# Altium PCB neuro_module.PcbDoc (part 4 of 5) (continued)
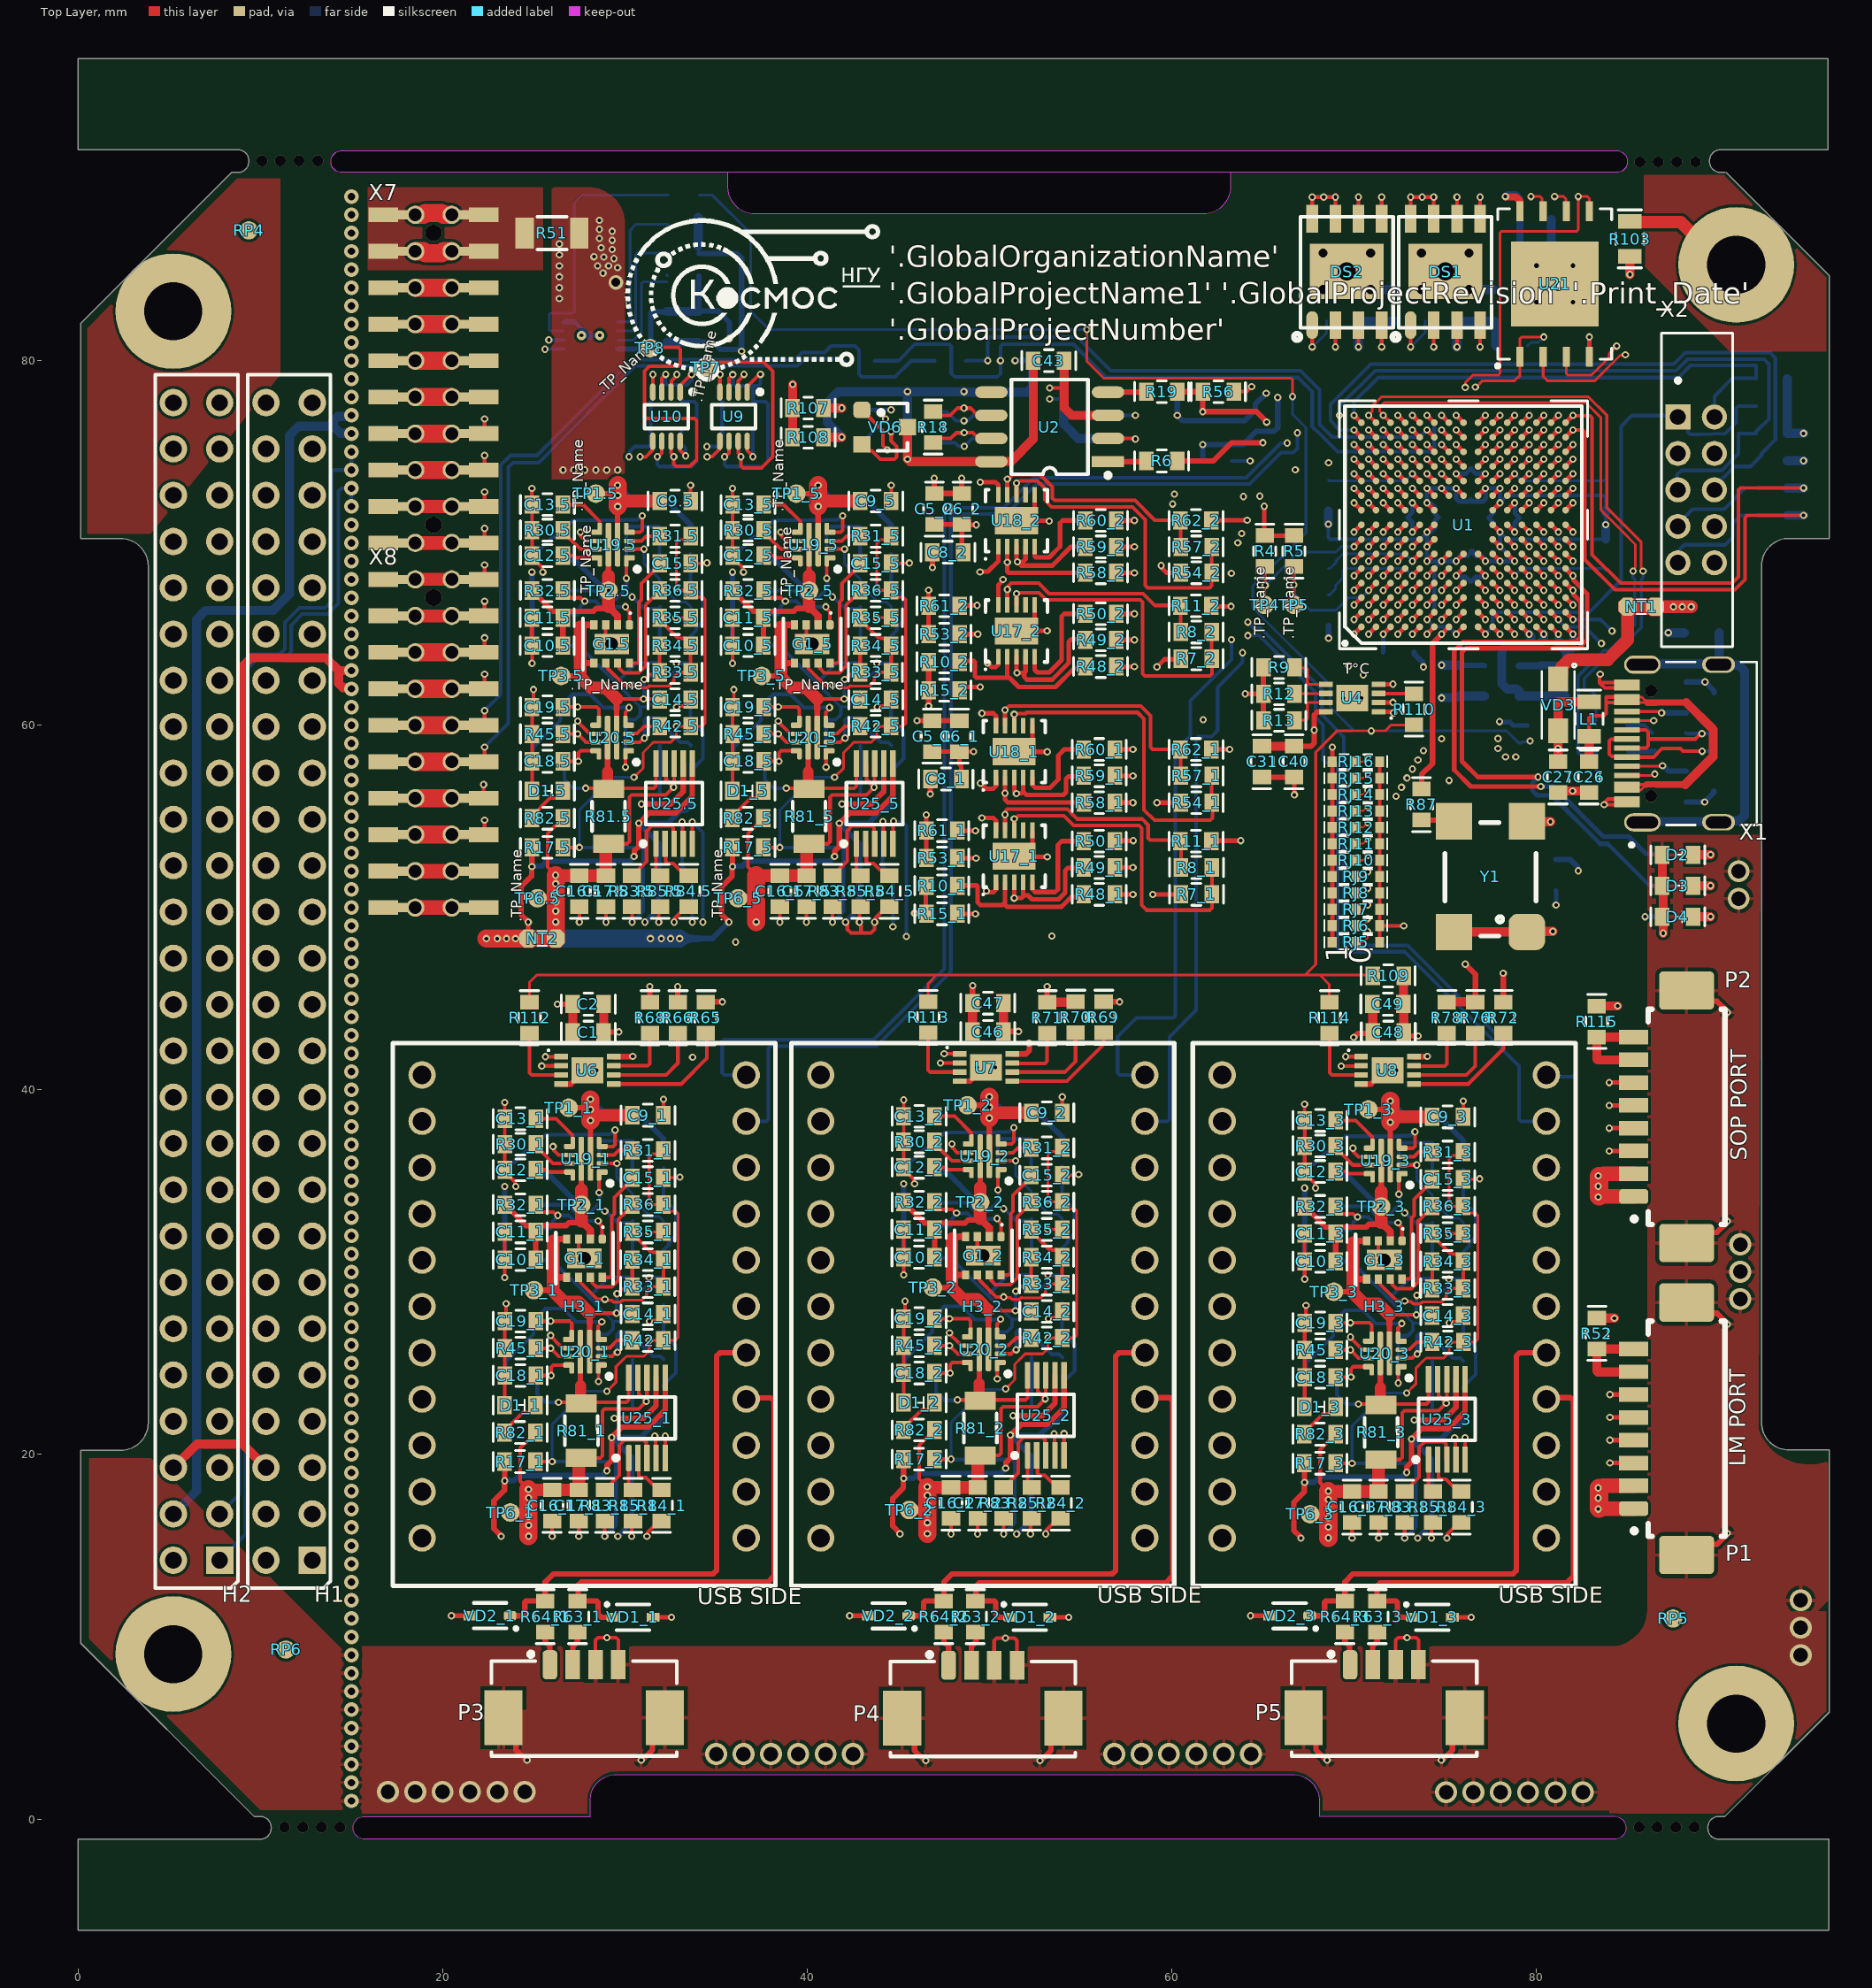
[diagram p0: Top Layer view]
## Nets (pads, with @x,y where several pads share a name; then routed paths per layer and width w, separated by ;. In a path a pad name is that pad's centre, name@x,y a point inside that pad or via, vN(x,y) a via of type N, cw(c..) or ccw(c..) an arc to the next point about the centre after c; other vN are vias at no path point) (continued)
NetR42.5_2: R42.5.2 U20.5.3 | length 1.9
  Top Layer w0.2: U20.5.3@30.2,59.525 30.225,59.55 30.665,59.55 31.064,59.948 R42.5.2@31.905,59.948
NetR42_1_2: R42_1.2 U20_1.3 | length 1.9
  Top Layer w0.2: U20_1.3@28.709,25.834 28.734,25.859 29.175,25.859 29.573,26.257 R42_1.2@30.414,26.257
NetR42_2_2: R42_2.2 U20_2.3 | length 1.9
  Top Layer w0.2: U20_2.3@50.588,25.971 50.613,25.996 51.054,25.996 51.452,26.394 R42_2.2@52.293,26.394
NetR42_3_2: R42_3.2 U20_3.3 | length 1.9
  Top Layer w0.2: U20_3.3@72.585,25.743 72.61,25.768 73.05,25.768 73.448,26.166 R42_3.2@74.29,26.166
NetR42_5_2: R42_5.2 U20_5.3 | length 1.9
  Top Layer w0.2: U20_5.3@41.2,59.525 41.225,59.55 41.665,59.55 42.064,59.948 R42_5.2@42.905,59.948
NetR45.5_2: R45.5.2 U20.5.9 | length 2
  Top Layer w0.2: R45.5.2@26.603,59.523 v1(27.413,59.523) 27.861,59.075 U20.5.9@28.4,59.075
NetR45_1_2: R45_1.2 U20_1.9 | length 2
  Top Layer w0.2: R45_1.2@25.112,25.832 v1(25.923,25.832) 26.37,25.384 U20_1.9@26.909,25.384
NetR45_2_2: R45_2.2 U20_2.9 | length 2
  Top Layer w0.2: R45_2.2@46.991,25.969 v1(47.802,25.969) 48.249,25.521 U20_2.9@48.788,25.521
NetR45_3_2: R45_3.2 U20_3.9 | length 2
  Top Layer w0.2: R45_3.2@68.987,25.74 v1(69.798,25.74) 70.246,25.293 U20_3.9@70.785,25.293
NetR45_5_2: R45_5.2 U20_5.9 | length 2
  Top Layer w0.2: R45_5.2@37.603,59.523 v1(38.413,59.523) 38.861,59.075 U20_5.9@39.4,59.075
NetR49_1_1: R49_1.1 R53_1.2 U17_1.3 U17_1.4 | length 12.5
  Top Layer w0.25: R53_1.2@48.258,52.705 v1(49.258,52.705) ; U17_1.3@51.352,51.397 v1(51.352,50.517) 51.752,50.517 51.852,50.617 U17_1.4@51.852,51.397 ; 51.852,50.673 52.111,50.673 52.333,50.451 53.784,50.451 54.153,50.819 54.153,52.025 54.299,52.172 R49_1.1@55.211,52.172
  Signal Layer 1 w0.25: v1(49.258,52.705) 49.258,50.665 49.708,50.216 51.051,50.216 v1(51.352,50.517)
NetR49_2_1: R49_2.1 R53_2.2 U17_2.3 U17_2.4 | length 12.7
  Top Layer w0.25: R53_2.2@48.36,64.999 v1(49.36,64.999) ; U17_2.3@51.479,63.75 51.479,62.895 v1(51.505,62.87) 51.905,62.87 ; U17_2.4@51.979,63.75 51.979,62.945 51.905,62.87 ; R49_2.1@55.245,64.592 55.117,64.719 54.496,64.719 54.35,64.573 54.35,63.417 53.435,62.503 52.051,62.503 51.905,62.649 51.905,62.87
  Signal Layer 1 w0.25: v1(49.36,64.999) 49.36,63.016 49.506,62.87 v1(51.505,62.87)
NetR55_1: R55.1 U3.4 | length 2
  Bottom Layer w0.3: U3.4@56.5,74.46 58.46,74.46 R55.1@58.5,74.5
NetR59_1_1: R59_1.1 R61_1.2 U18_1.3 U18_1.4 | length 12.7
  Top Layer w0.25: R61_1.2@48.233,54.217 v1(49.233,54.217) ; U18_1.3@51.352,57.132 51.352,56.41 51.444,56.318 51.444,56.278 v1(51.472,56.249) 51.486,56.236 51.528,56.278 51.778,56.278 51.852,56.352 ; U18_1.4@51.852,57.132 51.852,56.352 ; R59_1.1@55.169,57.226 55.143,57.201 54.35,57.201 54.204,57.054 54.204,56.321 54.057,56.174 52.031,56.174 51.852,56.352
  Signal Layer 1 w0.1: v1(49.233,54.217) v1@49.253,54.197
  Signal Layer 1 w0.25: v1@49.253,54.197 51.773,54.197 52.121,54.545 52.121,56.103 51.974,56.249 v1(51.472,56.249)
NetR59_2_1: R59_2.1 R61_2.2 U18_2.3 U18_2.4 | length 12.8
  Top Layer w0.25: R61_2.2@48.36,66.548 48.385,66.573 v1(49.327,66.573) ; v1@51.479,69.056 U18_2.3@51.479,69.805 U18_2.3@51.479,69.85 ; v1(51.529,68.966) v1@51.548,68.966 ; U18_2.4@51.979,69.805 51.979,69.113 51.832,68.966 v1@51.548,68.966 ; R59_2.1@55.247,69.786 54.47,69.786 53.447,68.763 51.75,68.763 v1@51.548,68.966
  Signal Layer 1 w0.25: v1(49.327,66.573) 51.791,66.573 52.19,66.973 52.19,68.819 52.043,68.966 v1(51.529,68.966)
NetR65_2: R65.2 U6.5 | length 7.1
  Top Layer w0.2: U6.5@29.392,40.322 30.146,40.322 33.083,40.322 34.493,41.732 34.493,43.055 R65.2@34.442,43.106
NetR66_2: R66.2 U6.6 | length 6.2
  Top Layer w0.2: R66.2@32.906,43.106 32.906,41.463 32.264,40.822 30.146,40.822 ; 30.146,40.822 U6.6@29.392,40.822 30.146,40.822
NetR68_2: R68.2 U6.7 | length 3.7
  Top Layer w0.2: U6.7@29.392,41.322 31.252,41.322 31.369,41.439 R68.2@31.369,43.106
NetR69_2: R69.2 U7.5 | length 6.5
  Top Layer w0.2: U7.5@51.259,40.474 54.241,40.474 56.259,42.492 R69.2@56.259,43.131
NetR70_2: R70.2 U7.6 | length 5.3
  Top Layer w0.2: U7.6@51.259,40.974 54.131,40.974 54.722,41.565 R70.2@54.722,43.131
NetR71_2: R71.2 U7.7 | length 3.5
  Top Layer w0.2: U7.7@51.259,41.474 51.281,41.453 53.043,41.453 53.16,41.57 R71.2@53.16,43.106
NetR72_2: R72.2 U8.5 | length 6.6
  Top Layer w0.2: U8.5@73.283,40.322 76.265,40.322 78.182,42.239 R72.2@78.182,43.117
NetR75_1: R75.1 U3.1 | length 2.1
  Bottom Layer w0.3: U3.1@56.5,78.27 58.57,78.27 R75.1@58.6,78.3
NetR76_2: R76.2 U8.6 | length 5.4
  Top Layer w0.2: U8.6@73.283,40.822 76.155,40.822 76.646,41.312 R76.2@76.646,43.117
NetR77_2: R77.2 U5.7 | length 5.7
  Bottom Layer w0.15: U5.7@29.568,81.132 30.484,81.132 30.912,81.559 30.912,84.24 31,84.328 R77.2@32.315,84.328 ; R77.2@32.29,84.709 R77.2@32.324,84.675
NetR78_2: R78.2 U8.7 | length 3.5
  Top Layer w0.2: U8.7@73.305,41.3 74.966,41.3 75.083,41.418 R78.2@75.083,43.117
NetR80_2: R80.2 U9.1 U9.3 U9.6 | length 13.9
  Top Layer w0.2: v1@35.5,74.728 35.709,74.937 U9.6@35.709,75.665 ; U9.3@35.709,78.28 35.709,79.033 v1(35.915,79.239) ; U9.1@36.728,78.299 36.728,78.597 37.392,79.261 v1@37.44,79.261
  Bottom Layer w0.2: v1@35.458,74.753 35.458,74.311 35.576,74.193 37.566,74.193 37.846,74.473 37.846,77.632 37.729,77.749 R80.2@37.033,77.749 37.033,78.613 ; v1(35.915,79.239) 35.915,78.73 36.032,78.613 37.033,78.613 ; v1@37.44,79.261 37.44,78.73 37.322,78.613 37.033,78.613
  other v1: 35.465,74.728 37.44,79.248
NetR83.5_2: R83.5.2 U25.5.3 | length 5.3
  Top Layer w0.2: R83.5.2@30.389,51.749 31.185,52.545 31.185,54.198 31.482,54.495 32.521,54.495 32.658,54.358 32.658,53.542 U25.5.3@32.7,53.5
NetR83_1_2: R83_1.2 U25_1.3 | length 5.3
  Top Layer w0.2: R83_1.2@28.899,18.058 29.695,18.854 29.695,20.508 29.991,20.804 31.03,20.804 31.168,20.667 31.168,19.851 U25_1.3@31.209,19.809
NetR83_2_2: R83_2.2 U25_2.3 | length 5.3
  Top Layer w0.2: R83_2.2@50.778,18.195 51.574,18.991 51.574,20.645 51.87,20.941 52.909,20.941 53.047,20.804 53.047,19.988 U25_2.3@53.088,19.946
NetR83_3_2: R83_3.2 U25_3.3 | length 5.3
  Top Layer w0.2: R83_3.2@72.774,17.966 73.57,18.762 73.57,20.416 73.867,20.713 74.906,20.713 75.043,20.575 75.043,19.759 U25_3.3@75.085,19.718
NetR83_5_2: R83_5.2 U25_5.3 | length 5.3
  Top Layer w0.2: R83_5.2@41.389,51.749 42.185,52.545 42.185,54.198 42.482,54.495 43.521,54.495 43.658,54.358 43.658,53.542 U25_5.3@43.7,53.5
NetR84.5_2: R84.5.2 U25.5.2 | length 2.7
  Top Layer w0.2: U25.5.2@32.2,53.5 32.244,53.456 32.244,52.536 32.361,52.419 32.647,52.419 33.017,52.049 33.3,52.049 R84.5.2@33.6,51.749
NetR84_1_2: R84_1.2 U25_1.2 | length 2.7
  Top Layer w0.2: U25_1.2@30.709,19.809 30.753,19.766 30.753,18.845 30.87,18.728 31.157,18.728 31.527,18.358 31.809,18.358 R84_1.2@32.109,18.058
NetR84_2_2: R84_2.2 U25_2.2 | length 2.7
  Top Layer w0.2: U25_2.2@52.588,19.946 52.632,19.903 52.632,18.982 52.749,18.865 53.036,18.865 53.406,18.495 53.688,18.495 R84_2.2@53.988,18.195
NetR84_3_2: R84_3.2 U25_3.2 | length 2.7
  Top Layer w0.2: U25_3.2@74.585,19.718 74.628,19.674 74.628,18.753 74.745,18.636 75.032,18.636 75.402,18.266 75.685,18.266 R84_3.2@75.985,17.966
NetR84_5_2: R84_5.2 U25_5.2 | length 2.7
  Top Layer w0.2: U25_5.2@43.2,53.5 43.244,53.456 43.244,52.536 43.361,52.419 43.647,52.419 44.017,52.049 44.3,52.049 R84_5.2@44.6,51.749
NetR85.5_2: R85.5.2 U25.5.1 | length 1.9
  Top Layer w0.2: U25.5.1@31.7,53.5 31.7,52.049 32,51.749 R85.5.2@32.035,51.749
NetR85_1_2: R85_1.2 U25_1.1 | length 1.9
  Top Layer w0.2: U25_1.1@30.209,19.809 30.209,18.358 30.509,18.058 R85_1.2@30.545,18.058
NetR85_2_2: R85_2.2 U25_2.1 | length 1.9
  Top Layer w0.2: U25_2.1@52.088,19.946 52.088,18.495 52.388,18.195 R85_2.2@52.424,18.195
NetR85_3_2: R85_3.2 U25_3.1 | length 1.9
  Top Layer w0.2: U25_3.1@74.085,19.718 74.085,18.266 74.385,17.966 R85_3.2@74.42,17.966
NetR85_5_2: R85_5.2 U25_5.1 | length 1.9
  Top Layer w0.2: U25_5.1@42.7,53.5 42.7,52.049 43,51.749 R85_5.2@43.035,51.749
NetR87_1: R87.1 Y1.3 | length 2.2
  Top Layer w0.3: R87.1@73.7,54.8 75.096,54.8 75.286,54.61 75.53,54.61 Y1.3@75.72,54.8
NetR89_2: R89.2 U1.E6 | length 5.7
  Top Layer w0.25: v1(73.2,69) U1.E6@73.6,69.4
  Bottom Layer w0.15: R89.2@68.587,68.6 68.687,68.6 69.012,68.925 69.012,69.025 69.387,69.4 72.8,69.4 v1(73.2,69)
NetR90_2: R90.2 U1.L5 | length 5.8
  Top Layer w0.25: U1.L5@78.4,68.6 v1(78.8,68.2)
  Bottom Layer w0.15: v1(78.8,68.2) 79.2,68.6 83.7,68.6 R90.2@83.8,68.5
NetR91_2: R91.2 U1.E5 | length 6.3
  Top Layer w0.25: v1(73.2,68.2) U1.E5@73.6,68.6
  Bottom Layer w0.15: R91.2@68.587,67.16 68.657,67.16 68.982,67.485 68.982,67.682 69.4,68.1 69.4,68.512 69.488,68.6 72.8,68.6 v1(73.2,68.2)
NetR95_2: R95.2 X2.7 | length 5.2
  Bottom Layer w0.2: X2.7@87.764,70.911 87.764,71.05 88.57,71.857 90.301,71.857 91.456,73.011 R95.2@92.056,73.011
NetR96_2: R96.2 X2.9 | length 5.6
  Bottom Layer w0.2: X2.9@87.764,69.55 88.114,69.901 90.348,69.901 90.764,70.317 90.764,71.079 91.196,71.511 R96.2@92.056,71.511
NetR104_2: R104.2 U10.1 U10.3 U10.6 | length 13.1
  Top Layer w0.2: v1@31.817,74.728 32.026,74.937 U10.6@32.026,75.665 ; U10.3@32.026,78.28 32.026,79.038 32.233,79.245 v1(32.233,79.248) ; U10.1@33.045,78.597 33.045,78.638 33.655,79.247 v1@33.655,79.261
  Bottom Layer w0.2: v1(31.782,74.728) 31.782,74.311 31.899,74.193 33.655,74.193 33.934,74.473 33.934,77.632 33.817,77.749 R104.2@33.122,77.749 33.122,78.664 ; v1(32.233,79.248) 32.207,79.223 32.207,78.781 32.324,78.664 33.122,78.664 ; v1@33.655,79.261 33.655,78.915 33.403,78.664 33.122,78.664
  other v1: 33.655,79.244
NetR110_1: R110.1 U4.3 | length 1.9
  Top Layer w0.1: R110.1@73.258,61.743 R110.1@73.279,61.722
  Top Layer w0.2: U4.3@71.351,61.743 R110.1@73.258,61.743
NetR111_1: R111.1 U5.3 | length 14.5
  Bottom Layer w0.15: U5.3@26.668,81.632 25.906,81.632 25.848,81.69 25.848,82.542 25.906,82.601 27.17,82.601 27.229,82.659 27.229,88.671 27.635,89.078 R111.1@32.385,89.078
NetR112_1: R112.1 U6.3 | length 4
  Top Layer w0.2: R112.1@24.765,43.117 24.765,40.939 24.882,40.822 U6.3@26.492,40.822
NetR113_1: R113.1 U7.3 | length 4
  Top Layer w0.2: R113.1@46.632,43.269 46.632,41.091 46.75,40.974 U7.3@48.359,40.974
NetR114_1: R114.1 U8.3 | length 4
  Top Layer w0.2: R114.1@68.656,43.117 68.656,40.939 68.774,40.822 U8.3@70.383,40.822
NetU1_A1: U1.A1 | length 0.6
  Top Layer w0.25: v1(70,65) U1.A1@70.4,65.4
NetU1_A2: U1.A2 | length 0.6
  Top Layer w0.25: v1(70,65.8) U1.A2@70.4,66.2
NetU1_A3: U1.A3 | length 0.6
  Top Layer w0.25: v1(70,66.6) U1.A3@70.4,67
NetU1_A11: U1.A11 | length 0.6
  Top Layer w0.25: v1(70,73.8) U1.A11@70.4,73.4
NetU1_B1: U1.B1 | length 0.6
  Top Layer w0.25: v1(70.8,65) U1.B1@71.2,65.4
NetU1_B2: U1.B2 | length 0.6
  Top Layer w0.25: v1(70.8,65.8) U1.B2@71.2,66.2
NetU1_B3: U1.B3 | length 0.6
  Top Layer w0.25: v1(70.8,66.6) U1.B3@71.2,67
NetU1_B5: U1.B5 | length 0.6
  Top Layer w0.25: v1(70.8,68.2) U1.B5@71.2,68.6
NetU1_B6: U1.B6 | length 0.6
  Top Layer w0.25: v1(70.8,69) U1.B6@71.2,69.4
NetU1_B7: U1.B7 | length 0.6
  Top Layer w0.25: v1(70.8,69.8) U1.B7@71.2,70.2
NetU1_B8: U1.B8 | length 0.6
  Top Layer w0.25: v1(70.8,70.6) U1.B8@71.2,71
NetU1_B9: U1.B9 | length 0.6
  Top Layer w0.25: v1(70.8,72.2) U1.B9@71.2,71.8
NetU1_B10: U1.B10 | length 0.6
  Top Layer w0.25: v1(70.8,73) U1.B10@71.2,72.6
NetU1_B11: U1.B11 | length 0.6
  Top Layer w0.25: v1(70.8,73.8) U1.B11@71.2,73.4
NetU1_C4: U1.C4 | length 0.6
  Top Layer w0.25: v1(71.6,67.4) U1.C4@72,67.8
NetU1_C5: U1.C5 | length 0.6
  Top Layer w0.25: v1(71.6,68.2) U1.C5@72,68.6
NetU1_C6: U1.C6 | length 0.6
  Top Layer w0.25: v1(71.6,69) U1.C6@72,69.4
NetU1_C7: U1.C7 | length 0.6
  Top Layer w0.25: v1(71.6,69.8) U1.C7@72,70.2
NetU1_C8: U1.C8 | length 0.6
  Top Layer w0.25: v1(71.6,70.6) U1.C8@72,71
NetU1_C9: U1.C9 | length 0.6
  Top Layer w0.25: v1(71.6,72.2) U1.C9@72,71.8
NetU1_C10: U1.C10 | length 0.6
  Top Layer w0.25: v1(71.6,73) U1.C10@72,72.6
NetU1_C11: U1.C11 | length 0.6
  Top Layer w0.25: v1(71.6,73.8) U1.C11@72,73.4
NetU1_D1: U1.D1 | length 0.6
  Top Layer w0.25: v1(72.4,65) U1.D1@72.8,65.4
NetU1_D7: U1.D7 | length 0.6
  Top Layer w0.25: v1(72.4,69.8) U1.D7@72.8,70.2
NetU1_D8: U1.D8 | length 0.6
  Top Layer w0.25: v1(72.4,70.6) U1.D8@72.8,71
NetU1_D10: U1.D10 | length 0.6
  Top Layer w0.25: v1(72.4,73) U1.D10@72.8,72.6
NetU1_D12: U1.D12 | length 0.6
  Top Layer w0.25: v1(72.4,74.6) U1.D12@72.8,74.2
NetU1_D13: U1.D13 | length 0.6
  Top Layer w0.25: v1(72.4,75.4) U1.D13@72.8,75
NetU1_D15: U1.D15 | length 0.6
  Top Layer w0.25: v1(72.4,77) U1.D15@72.8,76.6
NetU1_E1: U1.E1 | length 0.6
  Top Layer w0.25: v1(73.2,65) U1.E1@73.6,65.4
NetU1_E3: U1.E3 | length 0.6
  Top Layer w0.25: v1(73.2,66.6) U1.E3@73.6,67
NetU1_E15: U1.E15 | length 0.6
  Top Layer w0.25: v1(73.2,77) U1.E15@73.6,76.6
NetU1_F1: U1.F1 | length 0.6
  Top Layer w0.25: v1(74,65) U1.F1@74.4,65.4
NetU1_F12: U1.F12 | length 0.6
  Top Layer w0.25: v1(74,74.6) U1.F12@74.4,74.2
NetU1_F13: U1.F13 | length 0.6
  Top Layer w0.25: v1(74,75.4) U1.F13@74.4,75
NetU1_G2: U1.G2 | length 0.6
  Top Layer w0.25: v1(74.8,65.8) U1.G2@75.2,66.2
NetU1_G3: U1.G3 | length 0.6
  Top Layer w0.25: v1(74.8,66.6) U1.G3@75.2,67
NetU1_G4: U1.G4 | length 0.6
  Top Layer w0.25: v1(74.8,67.4) U1.G4@75.2,67.8
NetU1_G12: U1.G12 | length 0.6
  Top Layer w0.25: v1(74.8,74.6) U1.G12@75.2,74.2
NetU1_G13: U1.G13 | length 0.6
  Top Layer w0.25: v1(74.8,75.4) U1.G13@75.2,75
NetU1_G15: U1.G15 | length 0.6
  Top Layer w0.25: v1(74.8,77) U1.G15@75.2,76.6
NetU1_H2: U1.H2 | length 0.6
  Top Layer w0.25: v1(75.6,65.8) U1.H2@76,66.2
NetU1_H3: U1.H3 | length 0.6
  Top Layer w0.25: v1(75.6,66.6) U1.H3@76,67
NetU1_H4: U1.H4 | length 0.6
  Top Layer w0.25: v1(75.6,67.4) U1.H4@76,67.8
NetU1_H12: U1.H12 | length 0.6
  Top Layer w0.25: v1(75.6,74.6) U1.H12@76,74.2
NetU1_H13: U1.H13 | length 0.6
  Top Layer w0.25: v1(75.6,75.4) U1.H13@76,75
NetU1_H14: U1.H14 | length 0.6
  Top Layer w0.25: v1(75.6,76.2) U1.H14@76,75.8
NetU1_H15: U1.H15 | length 0.6
  Top Layer w0.25: v1(75.6,77) U1.H15@76,76.6
NetU1_J2: U1.J2 | length 0.6
  Top Layer w0.25: U1.J2@76.8,66.2 v1(77.2,65.8)
NetU1_J3: U1.J3 | length 0.6
  Top Layer w0.25: U1.J3@76.8,67 v1(77.2,66.6)
NetU1_J4: U1.J4 | length 0.6
  Top Layer w0.25: U1.J4@76.8,67.8 v1(77.2,67.4)
NetU1_J12: U1.J12 | length 0.6
  Top Layer w0.25: U1.J12@76.8,74.2 v1(77.2,74.6)
NetU1_J13: U1.J13 | length 0.6
  Top Layer w0.25: U1.J13@76.8,75 v1(77.2,75.4)
NetU1_J14: U1.J14 | length 0.6
  Top Layer w0.25: U1.J14@76.8,75.8 v1(77.2,76.2)
NetU1_J15: U1.J15 | length 0.6
  Top Layer w0.25: U1.J15@76.8,76.6 v1(77.2,77)
NetU1_K3: U1.K3 | length 0.6
  Top Layer w0.25: U1.K3@77.6,67 v1(78,66.6)
NetU1_K4: U1.K4 | length 0.6
  Top Layer w0.25: U1.K4@77.6,67.8 v1(78,67.4)
NetU1_K12: U1.K12 | length 0.6
  Top Layer w0.25: U1.K12@77.6,74.2 v1(78,74.6)
NetU1_K13: U1.K13 | length 0.6
  Top Layer w0.25: U1.K13@77.6,75 v1(78,75.4)
NetU1_K15: U1.K15 | length 0.6
  Top Layer w0.25: U1.K15@77.6,76.6 v1(78,77)
NetU1_L12: U1.L12 | length 0.6
  Top Layer w0.25: U1.L12@78.4,74.2 v1(78.8,74.6)
NetU1_L14: U1.L14 | length 0.6
  Top Layer w0.25: U1.L14@78.4,75.8 v1(78.8,76.2)
NetU1_L15: U1.L15 | length 0.6
  Top Layer w0.25: U1.L15@78.4,76.6 v1(78.8,77)
NetU1_M5: U1.M5 | length 0.6
  Top Layer w0.25: U1.M5@79.2,68.6 v1(79.6,68.2)
NetU1_M6: U1.M6 | length 0.6
  Top Layer w0.25: U1.M6@79.2,69.4 v1(79.6,69)
NetU1_M7: U1.M7 | length 0.6
  Top Layer w0.25: U1.M7@79.2,70.2 v1(79.6,69.8)
NetU1_M8: U1.M8 | length 0.6
  Top Layer w0.25: U1.M8@79.2,71 v1(79.6,70.6)
NetU1_M9: U1.M9 | length 0.6
  Top Layer w0.25: U1.M9@79.2,71.8 v1(79.6,72.2)
NetU1_M10: U1.M10 | length 0.6
  Top Layer w0.25: U1.M10@79.2,72.6 v1(79.6,73)
NetU1_M11: U1.M11 | length 0.6
  Top Layer w0.25: U1.M11@79.2,73.4 v1(79.6,73.8)
NetU1_M12: U1.M12 | length 0.6
  Top Layer w0.25: U1.M12@79.2,74.2 v1(79.6,74.6)
NetU1_M13: U1.M13 | length 0.6
  Top Layer w0.25: U1.M13@79.2,75 v1(79.6,75.4)
NetU1_M14: U1.M14 | length 0.6
  Top Layer w0.25: U1.M14@79.2,75.8 v1(79.6,76.2)
NetU1_M15: U1.M15 | length 0.6
  Top Layer w0.25: U1.M15@79.2,76.6 v1(79.6,77)
NetU1_N3: U1.N3 | length 0.6
  Top Layer w0.25: U1.N3@80,67 v1(80.4,66.6)
NetU1_N4: U1.N4 | length 0.6
  Top Layer w0.25: U1.N4@80,67.8 v1(80.4,67.4)
NetU1_N6: U1.N6 | length 0.6
  Top Layer w0.25: U1.N6@80,69.4 v1(80.4,69)
NetU1_N7: U1.N7 | length 0.6
  Top Layer w0.25: U1.N7@80,70.2 v1(80.4,69.8)
NetU1_N8: U1.N8 | length 0.6
  Top Layer w0.25: U1.N8@80,71 v1(80.4,70.6)
NetU1_N9: U1.N9 | length 0.6
  Top Layer w0.25: U1.N9@80,71.8 v1(80.4,72.2)
NetU1_N11: U1.N11 | length 0.6
  Top Layer w0.25: U1.N11@80,73.4 v1(80.4,73.8)
NetU1_N12: U1.N12 | length 0.6
  Top Layer w0.25: U1.N12@80,74.2 v1(80.4,74.6)
NetU1_N13: U1.N13 | length 0.6
  Top Layer w0.25: U1.N13@80,75 v1(80.4,75.4)
NetU1_N14: U1.N14 | length 0.6
  Top Layer w0.25: U1.N14@80,75.8 v1(80.4,76.2)
NetU1_N15: U1.N15 | length 0.6
  Top Layer w0.25: U1.N15@80,76.6 v1(80.4,77)
NetU1_P5: U1.P5 | length 0.6
  Top Layer w0.25: U1.P5@80.8,68.6 v1(81.2,68.2)
NetU1_P6: U1.P6 | length 0.6
  Top Layer w0.25: U1.P6@80.8,69.4 v1(81.2,69)
NetU1_P7: U1.P7 | length 0.6
  Top Layer w0.25: U1.P7@80.8,70.2 v1(81.2,69.8)
NetU1_P8: U1.P8 | length 0.6
  Top Layer w0.25: U1.P8@80.8,71 v1(81.2,70.6)
NetU1_P11: U1.P11 | length 0.6
  Top Layer w0.25: U1.P11@80.8,73.4 v1(81.2,73.8)
NetU1_P13: U1.P13 | length 0.6
  Top Layer w0.25: U1.P13@80.8,75 v1(81.2,75.4)
NetU1_P14: U1.P14 | length 0.6
  Top Layer w0.25: U1.P14@80.8,75.8 v1(81.2,76.2)
NetU1_P15: U1.P15 | length 0.6
  Top Layer w0.25: U1.P15@80.8,76.6 v1(81.2,77)
NetU1_R6: U1.R6 | length 0.6
  Top Layer w0.25: U1.R6@81.6,69.4 v1(82,69)
NetU1_R7: U1.R7 | length 0.6
  Top Layer w0.25: U1.R7@81.6,70.2 v1(82,69.8)
NetU1_R8: U1.R8 | length 0.6
  Top Layer w0.25: U1.R8@81.6,71 v1(82,70.6)
NetU1_R11: U1.R11 | length 0.6
  Top Layer w0.25: U1.R11@81.6,73.4 v1(82,73.8)
NetU1_R12: U1.R12 | length 0.6
  Top Layer w0.25: U1.R12@81.6,74.2 v1(82,74.6)
NetU1_R13: U1.R13 | length 0.6
  Top Layer w0.25: U1.R13@81.6,75 v1(82,75.4)
NetU2_5: U2.5
NetU3_5: U3.5
NetU9_2: U9.2 | length 1.1
  Top Layer w0.2: U9.2@36.209,78.28 36.209,78.897 v1@36.533,79.22
  other v1: 36.533,79.248
NetU9_5: U9.5 | length 1.3
  Top Layer w0.2: v1(34.509,74.728) 34.531,74.749 34.795,74.749 35.19,75.144 35.19,75.561 U9.5@35.209,75.58
NetU10_2: U10.2 | length 1.1
  Top Layer w0.2: U10.2@32.526,78.28 32.545,78.299 32.545,78.889 32.846,79.19 v1(32.846,79.244)
NetU10_5: U10.5 | length 1.3
  Top Layer w0.2: v1(30.826,74.728) 30.83,74.724 31.137,74.724 31.507,75.094 31.507,75.561 U10.5@31.526,75.58
NetX1_A8: X1.A8 | length 1.5
  Top Layer w0.15: X1.A8@84.97,60.25 v1@86.435,60.25
  other v1: 86.436,60.249
NetX1_B8: X1.B8 | length 1.6
  Top Layer w0.15: X1.B8@84.969,57.25 86.351,57.25 86.426,57.325 v1(86.493,57.325)
NetX2_10: X2.10
nm_bus1.Ena: R25_1.2 R26_1.2 R29_1.2 U1.M3 | length 95.4
  Top Layer w0.25: U1.M3@79.2,67 v1(79.6,66.6)
  Signal Layer 1 w0.1: v1(23.409,34.709) 22.563,34.709 22.504,34.768 22.504,39.946 22.563,40.005 35.077,40.005 35.306,39.776 41.986,39.776 42.164,39.954 46.057,39.954 46.193,39.818 49.038,39.818 49.479,40.259 56.769,40.259 57.353,39.675 63.246,39.675 63.652,40.081 74.168,40.081 76.53,42.443 76.53,54.102 78.867,56.439 78.867,57.102 78.308,57.661 v1(78.308,58.268)
  Signal Layer 2 w0.1: v1(78.308,58.268) 78.308,58.772 78.791,59.254 78.791,61.193 79.156,61.558 79.156,63.495 79.911,64.25 80.655,64.25 81.055,64.65 81.345,64.65 81.55,64.855 81.55,65.145 81.345,65.35 80.828,65.35 80.75,65.428 80.75,65.945 80.518,66.177 80.328,66.177 80.155,66.35 79.762,66.35 79.704,66.409 79.704,66.415 79.6,66.519 v1(79.6,66.6)
  Bottom Layer w0.3: v1(23.409,34.709) v1(23.409,34.709) 23.41,33.698 R25_1.2@23.411,33.697 ; R29_1.2@23.411,30.684 R26_1.2@23.411,32.209 ; R26_1.2@23.412,32.16 R25_1.2@23.411,33.697
nm_bus1.RX: H3_1.11 U1.B13 | length 67.8
  Top Layer w0.25: v1(70.8,75.4) U1.B13@71.2,75
  Signal Layer 1 w0.15: v1@70.752,75.352 v1(70.8,75.4)
  Signal Layer 2 w0.2: v1(66.328,75.481) 66.336,75.489 67.158,75.489 67.469,75.8 70.441,75.8 v1@70.8,75.441
  Bottom Layer w0.1: v1@66.324,75.477 v1(66.328,75.481)
  Bottom Layer w0.2: H3_1.11@36.652,40.818 35.449,40.818 35.331,40.935 35.331,42.631 35.449,42.748 43.637,42.748 47.523,46.634 47.523,71.816 47.641,71.933 50.772,71.933 52.423,73.584 64.084,73.584 65.978,75.477 v1@66.324,75.477
nm_bus1.TX: H3_1.10 U1.B14 | length 68.3
  Top Layer w0.25: v1(70.8,76.2) U1.B14@71.2,75.8
  Signal Layer 1 w0.15: v1@70.752,76.152 v1(70.8,76.2)
  Signal Layer 2 w0.2: v1(66.886,76.039) 66.921,76.039 67.481,76.6 70.441,76.6 70.8,76.241 v1(70.8,76.2)
  Bottom Layer w0.2: H3_1.10@36.652,38.278 37.754,38.278 37.871,38.395 37.871,42.281 37.989,42.398 43.782,42.398 47.879,46.495 47.879,71.583 50.917,71.583 52.568,73.234 64.268,73.234 65.989,74.955 66.674,74.955 66.886,75.168 v1(66.886,76.039)
nm_bus2.Ena: R25_2.2 R26_2.2 R29_2.2 U1.M4 | length 73.6
  Top Layer w0.25: U1.M4@79.2,67.8 v1(79.6,67.4)
  Signal Layer 1 w0.1: v1(45.288,34.846) 45.265,34.823 44.713,34.823 44.655,34.882 44.655,37.813 44.713,37.871 50.267,37.871 51.054,38.659 56.591,38.659 57.357,39.425 63.373,39.425 63.779,39.831 74.272,39.831 76.78,42.34 76.78,53.998 79.117,56.335 79.117,57.952 78.867,58.202 v1(78.867,58.268)
  Signal Layer 2 w0.1: v1(78.867,58.268) 78.867,58.349 79.07,58.552 79.07,60.504 79.07,61.189 79.356,61.475 79.356,63.412 79.993,64.05 81.028,64.05 81.428,64.45 81.945,64.45 82.35,64.855 82.35,65.145 82.145,65.35 81.628,65.35 81.55,65.428 81.55,65.945 81.345,66.15 80.828,66.15 80.75,66.228 80.75,66.745 80.545,66.95 79.455,66.95 79.383,66.878 79.3,66.878 79.23,66.947 79.23,67.03 v1(79.6,67.4)
  Bottom Layer w0.3: v1@45.288,34.821 45.289,34.82 45.289,33.809 R25_2.2@45.29,33.808 R26_2.2@45.291,32.271 ; R29_2.2@45.29,30.794 R26_2.2@45.288,32.321
nm_bus2.RX: H3_2.11 U1.D9 | length 45.7
  Top Layer w0.25: v1(72.4,72.2) U1.D9@72.8,71.8
  Signal Layer 2 w0.2: v1(63.271,64.694) 63.271,65.608 63.772,66.109 64.354,66.109 65.419,65.044 66.657,65.044 68.7,67.087 68.7,67.956 69.24,68.496 69.24,70.739 70.4,71.899 70.4,72.366 70.634,72.6 71.766,72.6 72,72.366 72,72.341 72.117,72.224 72.376,72.224 v1(72.4,72.2)
  Bottom Layer w0.2: H3_2.11@58.522,40.818 57.14,40.818 57.023,40.935 57.023,42.901 58.064,43.942 60.081,43.942 60.198,44.059 60.198,58.62 61.011,59.433 61.011,61.338 63.271,63.598 v1(63.271,64.694)
nm_bus2.TX: H3_2.10 U1.A4 | length 37.7
  Top Layer w0.25: v1(70,67.4) U1.A4@70.4,67.8
  Signal Layer 2 w0.2: v1(63.881,63.983) 67.234,63.983 69.6,66.349 69.6,67.259 69.717,67.376 69.976,67.376 v1(70,67.4)
  Bottom Layer w0.2: H3_2.10@58.522,38.278 59.751,38.278 59.868,38.395 59.868,42.901 61.341,44.374 61.341,59.268 61.458,59.385 62.179,59.385 62.509,59.715 62.509,62.078 63.881,63.449 v1(63.881,63.983)
nm_bus3.Ena: R25_3.2 R26_3.2 R29_3.2 U1.L4 | length 51.8
  Top Layer w0.25: U1.L4@78.4,67.8 v1(78.8,67.4)
  Signal Layer 1 w0.1: v1(67.285,34.618) 66.734,34.618 66.675,34.676 66.675,37.457 66.734,37.516 72.542,37.516 72.786,37.759 72.786,39.41 72.957,39.581 74.375,39.581 77.03,42.236 77.03,53.895 79.367,56.232 79.367,58.478 79.292,58.553 79.076,58.769 77.937,58.769 v1(77.892,58.725)
  Signal Layer 2 w0.1: v1(77.892,58.725) 77.908,58.725 78.461,59.278 78.461,60.504 78.461,61.145 78.956,61.64 78.956,63.578 79.828,64.45 80.345,64.45 80.75,64.855 80.75,65.145 80.545,65.35 80.028,65.35 79.95,65.428 79.95,65.945 79.745,66.15 79.209,66.15 79.15,66.209 79.15,66.745 78.8,67.095 v1(78.8,67.4)
  Bottom Layer w0.3: v1(67.285,34.618) v1(67.285,34.618) 67.286,33.606 R25_3.2@67.287,33.605 R26_3.2@67.287,32.068 ; R29_3.2@67.286,30.591 R26_3.2@67.285,32.118
nm_bus3.RX: H3_3.11 U1.A6 | length 47.6
  Top Layer w0.25: v1(70,69) U1.A6@70.4,69.4
  Signal Layer 1 w0.15: v1@69.952,68.952 v1(70,69)
  Signal Layer 2 w0.2: v1(64.168,65.659) 65.133,64.694 66.802,64.694 69,66.892 69,67.832 69.962,68.793 69.962,68.962 v1(70,69)
  Bottom Layer w0.2: v1(64.168,65.659) 64.498,65.329 64.872,65.329 68.238,61.963 68.238,60.566 69.444,59.36 69.444,48.047 69.561,47.93 72.923,47.93 78.257,42.596 81.966,42.596 82.153,42.408 82.153,40.853 82.017,40.716 80.645,40.716 H3_3.11@80.543,40.818
nm_bus3.TX: H3_3.10 U1.A5 | length 45.9
  Top Layer w0.25: v1(70,68.2) U1.A5@70.4,68.6
  Signal Layer 2 w0.2: v1(64.168,64.922) 64.752,64.338 67.005,64.338 69.3,66.633 69.3,67.383 69.717,67.8 69.859,67.8 69.976,67.917 69.976,68.176 v1(70,68.2)
  Bottom Layer w0.2: v1(64.168,64.922) 64.183,64.938 64.768,64.938 67.888,61.818 67.888,60.421 68.301,60.008 68.301,58.09 68.428,57.963 68.976,57.963 69.094,57.846 69.094,47.574 72.784,47.574 79.045,41.313 79.045,38.395 79.162,38.278 H3_3.10@80.543,38.278
NM_PWR_CH: H1.17 H2.17 R51.1 X7.1 X7.2 X7.3 X7.4 | length 133.1
  Top Layer w0.6: v2@14.943,86.943 v2(15,87) ; v2@14.943,88.943 v2(15,89)
  Top Layer w1: X7.4@18.5,86 18.944,86 19.044,85.9 19.956,85.9 20.056,86 X7.3@20.5,86 ; X7.2@18.5,88 18.944,88 19.044,88.1 19.956,88.1 20.056,88 X7.1@20.5,88
  Power Layer w0.6: H2.17@7.77,34.419 H2.17@7.77,34.52 8.97,35.72 11.206,35.72 11.557,36.071 11.557,85.157 14.387,87.987 ; H1.17@12.85,34.52 14.097,35.767 14.097,85.797 14.3,86 ; 14.3,86 14.3,86.549 14.651,86.9 14.846,86.9 14.946,87 v2(15,87) 17.5,87 X7.4@18.5,86 v2(15,86) 14.3,86 ; 14.387,87.987 14.387,88.707 14.622,88.943 14.943,88.943 v2(15,89) 17.5,89 X7.2@18.5,88 v2(15,88) 14.987,87.987 14.387,87.987
nm_vbus_1: C16_1.2 C17_1.2 H3_1.1 R81_1.1 R82_1.1 TP6_1.0 U25_1.8 U25_1.9 | length 21.2
  Top Layer w0.2: v1(24.709,18.085) 24.264,18.53 24.264,20.367 24.706,20.809 24.801,20.809 25.101,21.109 R82_1.1@25.101,21.209 ; R81_1.1@27.47,19.669 R81_1.1@27.61,19.809 28.643,19.809 28.76,19.926 28.76,22.372 28.877,22.49 30.754,22.49 v1(31.176,22.912) ; U25_1.9@30.709,24.209 30.759,24.159 30.759,23.328 v1(31.176,22.912) ; U25_1.8@31.209,24.209 31.209,22.945 v1(31.176,22.912)
  Top Layer w0.5: TP6_1.0@23.541,16.817 TP6_1.0@23.712,16.817 24.412,16.817 v1(24.712,17.117) ; 24.709,17.353 24.712,17.35 ; v1(24.709,18.085) v1@24.736,18.058
  Top Layer w0.7: v1@24.736,18.058 C17_1.2@27.47,18.058 R81_1.1@27.47,19.669
  Top Layer w1: 24.709,17.353 v1(24.709,18.085) ; v1(24.712,15.517) v1(24.712,16.117) v1(24.712,16.617) v1(24.712,17.117) 24.712,17.35
  other v1: 24.712,17.617
nm_vbus_2: C16_2.2 C17_2.2 H3_2.1 R81_2.1 R82_2.1 TP6_2.0 U25_2.8 U25_2.9 | length 21.2
  Top Layer w0.2: v1(46.588,18.222) 46.143,18.667 46.143,20.504 46.585,20.946 46.68,20.946 46.98,21.246 R82_2.1@46.98,21.346 ; R81_2.1@49.349,19.806 R81_2.1@49.489,19.946 50.522,19.946 50.639,20.063 50.639,22.509 50.756,22.627 52.633,22.627 v1(53.055,23.049) ; U25_2.9@52.588,24.346 52.638,24.296 52.638,23.465 v1(53.055,23.049) ; U25_2.8@53.088,24.346 53.088,23.082 v1(53.055,23.049)
  Top Layer w0.5: TP6_2.0@45.42,16.954 TP6_2.0@45.591,16.954 46.291,16.954 v1(46.591,17.254) ; 46.588,17.49 46.591,17.487 ; v1(46.588,18.222) v1@46.615,18.195
  Top Layer w0.7: v1@46.615,18.195 C17_2.2@49.349,18.195 R81_2.1@49.349,19.806
  Top Layer w1: 46.588,17.49 v1(46.588,18.222) ; v1(46.591,15.654) v1(46.591,16.254) v1(46.591,16.754) v1(46.591,17.254) 46.591,17.487
  other v1: 46.591,17.754
nm_vbus_3: C16_3.2 C17_3.2 H3_3.1 R81_3.1 R82_3.1 TP6_3.0 U25_3.8 U25_3.9 | length 21.2
  Top Layer w0.2: v1(68.585,17.993) 68.14,18.438 68.14,20.276 68.581,20.718 68.676,20.718 68.976,21.018 R82_3.1@68.976,21.118 ; R81_3.1@71.345,19.578 R81_3.1@71.485,19.718 72.518,19.718 72.635,19.835 72.635,22.281 72.752,22.398 74.629,22.398 v1(75.051,22.82) ; U25_3.9@74.585,24.118 74.635,24.068 74.635,23.237 v1(75.051,22.82) ; U25_3.8@75.085,24.118 75.085,22.853 v1(75.051,22.82)
  Top Layer w0.5: TP6_3.0@67.417,16.726 TP6_3.0@67.587,16.726 68.287,16.726 v1(68.587,17.026) ; 68.585,17.261 68.587,17.258 ; v1(68.585,17.993) v1@68.612,17.966
  Top Layer w0.7: v1@68.612,17.966 C17_3.2@71.345,17.966 R81_3.1@71.345,19.578
  Top Layer w1: 68.585,17.261 v1(68.585,17.993) ; v1(68.587,15.426) v1(68.587,16.026) v1(68.587,16.526) v1(68.587,17.026) 68.587,17.258
  other v1: 68.587,17.526